# KiCad board access-controller.kicad_pcb (continued)
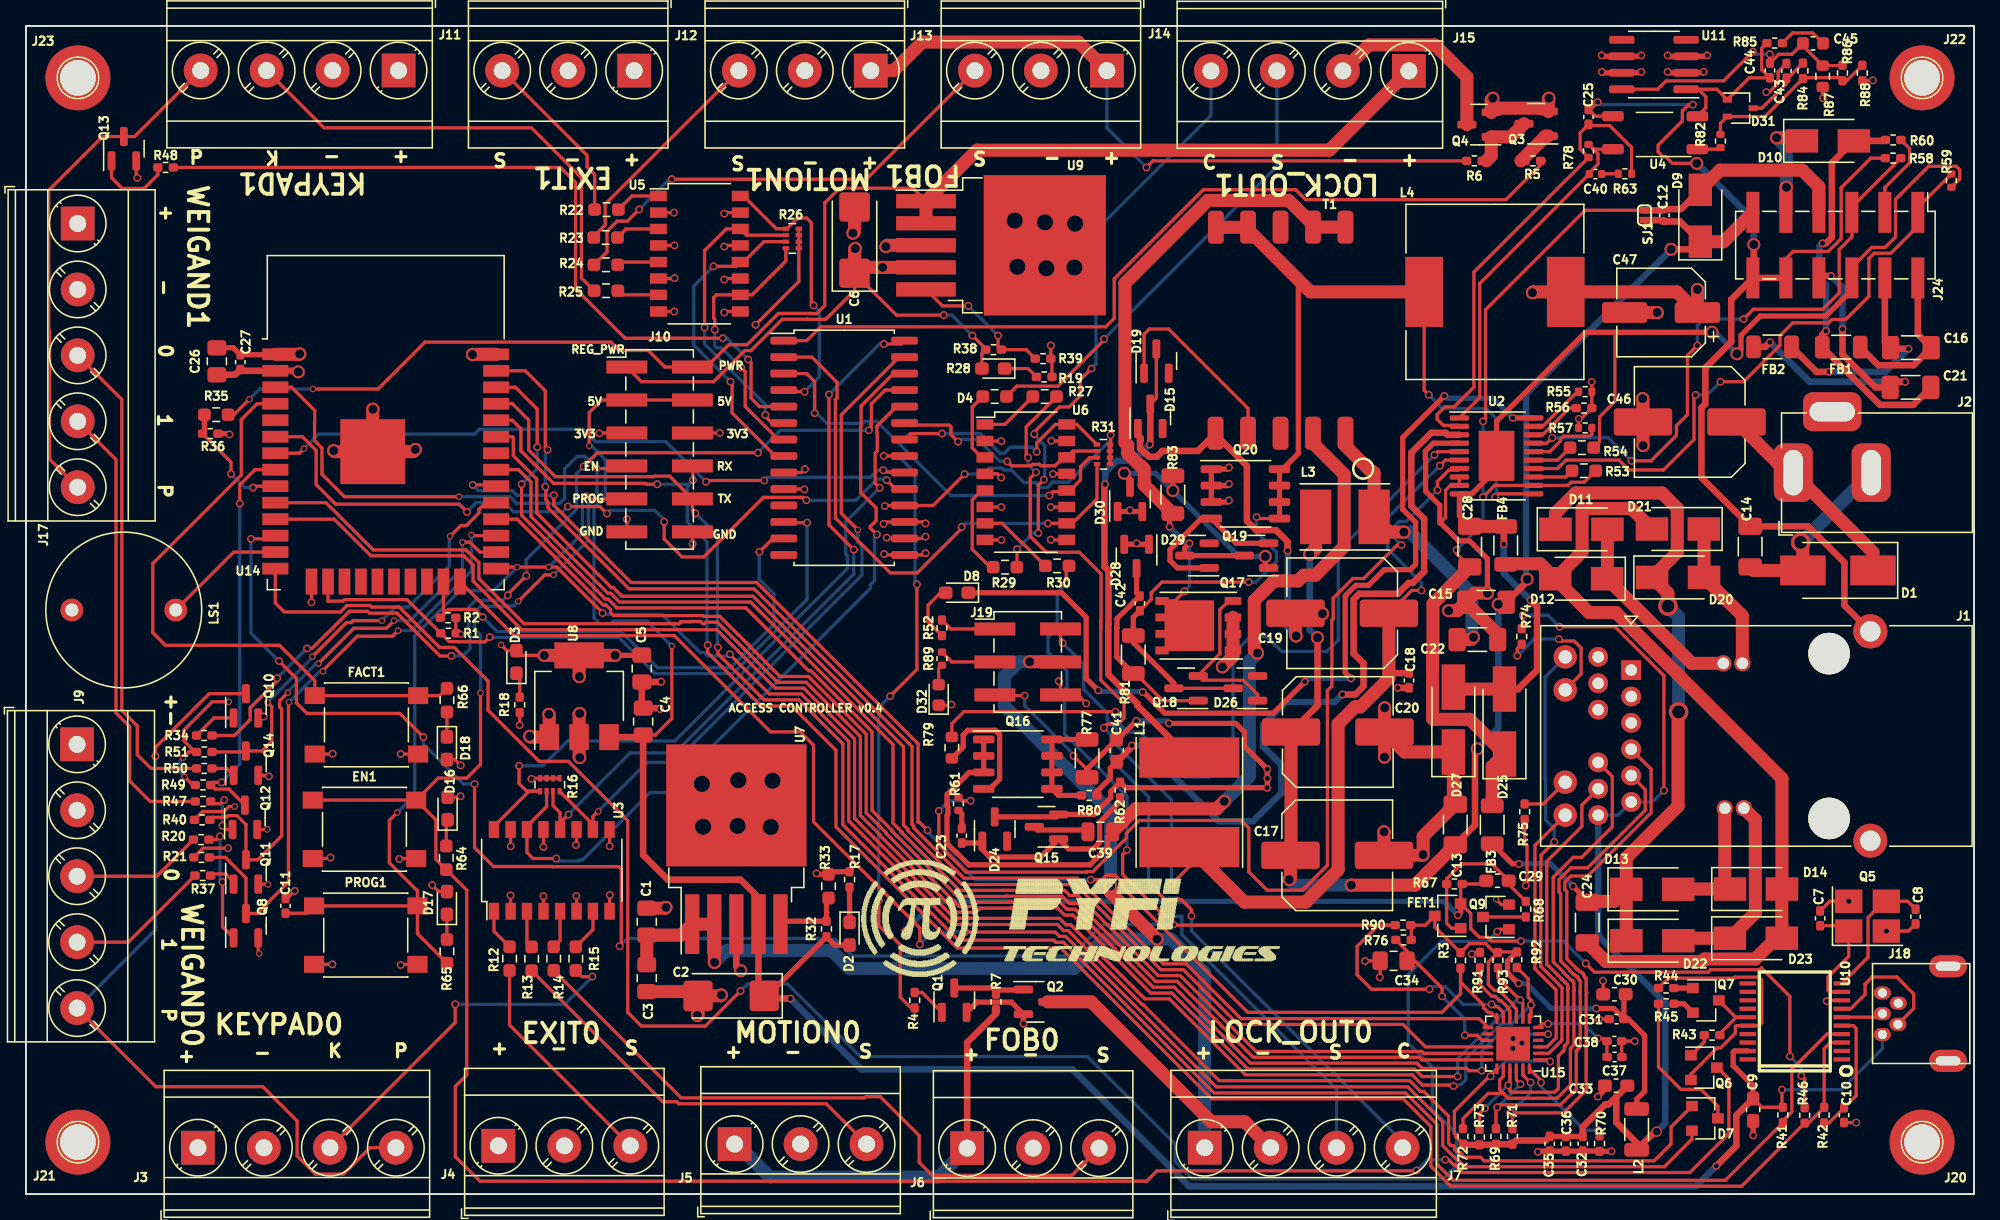
[diagram p0: board, top side]
## Routing (per net, layer and track width the routed paths; a pad name or vN(x,y) marks a point on that pad's centre or on a via; arc(x,y) is an arc through that point) (continued)
/PUSH1: length 39.3
  Top w0.25: J17.5 1.82,56.62 1.82,66.5 1.75,66.57 1.75,77.34 5.89,81.48 Q13.3 8.36,81.48 J11.4
/PUSH1_IO: length 61.1
  Top w0.25: v1(53.66,65.94) 46.13,65.94 42.32,69.75 42.32,77.94 41.16,79.1 R48.1 ; U1.5 56.48,60.67 55.83,61.32 55.83,64.09 v1(55.61,64.31)
  Bottom w0.25: v1(53.66,65.94) 53.98,65.94 v1(55.61,64.31)
/PWR_SENSE: length 9.4
  Top w0.25: v1(15.79,55.49) 15.79,56.4 R36.2 ; U14.9 17.59,54.54 v1(17.48,54.43)
  Top w0.4: R36.2 13.74,58.73 R35.1
  Bottom w0.25: v1(17.48,54.43) 16.84,54.43 v1(15.79,55.49)
/RD+: length 43.4
  Top w0.25: J1.4 125.14,32.74 125.14,29.39 120.25,24.5 118.96,24.5 118.5,24.04 118.5,23.46 118.65,23.31 118.65,18.12 119.32,17.45 119.32,17.4 119.4,17.33 119.47,17.33 119.63,17.17 119.69,17.13 119.83,17.06 119.85,17 119.9,16.97 119.9,16.95 119.92,16.94 119.93,16.9 119.96,16.87 119.96,16.84 119.99,16.8 119.99,16.73 120.09,16.63 120.13,16.63 120.13,15.67 120.13,15.66 120.17,15.49 120.16,15.48 120.17,15.47 120.16,15.47 120.16,15.46 120.13,15.42 120.13,7.99 118.4,6.26 v1(114.3,6.26) 114.46,6.1 R71.2 ; U15.23 115.26,9.16 115.82,8.6 v1(115.86,8.6)
  Bottom w0.25: v1(115.86,8.6) 115.86,7.81 v1(114.3,6.26)
/RD-: length 41.2
  Top w0.25: v1(115.07,8.47) 114.76,8.78 U15.22 ; J1.5 124.69,31.16 124.69,29.57 120.25,25.13 118.96,25.13 118.05,24.22 118.05,23.28 118.18,23.15 118.18,17.95 118.87,17.26 118.87,17.22 119.14,16.94 119.24,16.88 119.28,16.88 119.36,16.8 119.46,16.75 119.48,16.71 119.51,16.68 119.51,16.64 119.54,16.61 119.54,16.54 119.68,16.41 119.68,15.65 119.69,15.58 119.68,15.57 119.68,11.36 119.45,11.13 119.45,11.11 119.37,11.03 119.37,8.09 118.16,6.88 113.48,6.88 v1(113.29,6.68) 113.19,6.58 R69.2
  Bottom w0.25: v1(115.07,8.47) 115.07,8.44 113.32,6.68 v1(113.29,6.68)
/REG_POWER: length 127.6
  Top w0.25: J10.1 47.4,62.59 52.94,62.59 55.35,64.99 55.82,64.99 58.23,67.4 60.19,67.4 60.19,67.39 61.58,67.39 63.8,69.61 C6.1 67.03,67.72 v1(70.67,67.72) ; 110.61,79.61 86.79,79.61 v1(86.28,79.1) ; 73.91,65.11 v1(72.87,66.15) ; D4.2 73.61,64.76 R38.1
  Top w0.5: 74.69,13.9 72.47,11.68 J6.1
  Top w1: J14.1 81.03,88.76 69.02,88.76 66.82,86.56 J13.1 ; C6.1 63.8,72.8 v2(63.85,72.85) ; 64.25,71.4 v2(65.96,71.4) U9.4
  Bottom w0.25: v1(72.87,66.15) 71.3,67.72 v1(70.67,67.72) ; J14.1 83.23,82.15 v1(86.28,79.1)
  Bottom w1: J6.1 70.23,1.3 57.29,1.3 54.74,3.85
/RL_N: length 33.8
  Top w0.25: U15.2 117.26,10.84 118.27,11.85 118.27,15.91 116.64,17.54 116.64,25.4 116.66,25.42 116.66,26.11 v1(117.68,27.13)
  Bottom w0.25: J1.13 116.96,39.83 116.96,32.01 117.01,31.96 117.01,28.83 117.68,28.16 v1(117.68,27.13)
/RL_P: length 10.5
  Top w0.25: v1(118.02,42.76) 118.17,42.61 119.21,42.61 119.74,42.08 119.74,40.07 J1.14 ; v1(114.83,41.47) 114.83,42.02 R74.2
  Bottom w0.25: v1(118.02,42.76) 116.12,42.76 v1(114.83,41.47)
/RXD: length 150.3
  Top w0.25: U10.3 138.93,11.67 138.46,11.2 R42.2 137.25,5.47 R46.1 132.1,0.6 109.71,0.6 108.3,2.02 108.3,2.05 108.18,2.17 108.18,5.2 106.04,7.34 91.3,7.34 79.69,18.95 71.71,18.95 62.37,28.29 62.37,34.19 58.96,37.6 56.61,37.6 52.49,41.72 v1(52.49,42.29) ; v1(48.6,54.69) 47.78,54.69 47.71,54.76 40.62,54.76 39.11,56.27 39.1,56.27 38.11,57.26 38.11,58.96 37.45,59.62 U14.34 ; v1(51.35,55) 51.35,56.06
  Bottom w0.25: v1(48.6,54.69) 51.04,54.69 v1(51.35,55) 50.92,54.57 50.92,51.79 52.44,50.27 52.44,42.35 v1(52.49,42.29)
/SCL: length 51.1
  Top w0.25: v1(60.15,51.73) 58.4,51.73 ; v1(35.71,42.91) 35.34,42.55 33.26,42.55 33.25,42.57 32.58,42.57 R1.1 29.34,45.8 24.53,45.8 24.42,45.68 23.26,45.68 U14.16
  Bottom w0.25: v1(60.15,51.73) 60.15,45.82 54.43,40.1 48.43,40.1 45.64,42.89 35.73,42.89 v1(35.71,42.91)
/SDA: length 39.6
  Top w0.25: v1(35.16,44.46) 34.57,45.04 32.55,45.04 R2.1 32.14,44.64 U14.23 ; v1(56.47,49.47) 57.52,50.52
  Bottom w0.25: v1(56.47,49.47) 56.46,49.46 56.46,47.37 57.6,46.23 57.6,43.91 54.24,40.55 48.62,40.55 45.83,43.34 36.28,43.34 v1(35.16,44.46)
/SPEAKER: length 9.5
  Top w0.25: LS1.1 15.99,49.46 U14.13
/TD+: length 37
  Top w0.25: J1.11 119.8,29.97 119.8,28.32 117.11,25.63 117.11,25.23 117.1,25.22 117.1,17.72 118.56,16.26 118.68,16.17 118.69,16.13 118.72,16.1 118.72,15.94 118.74,15.8 118.72,15.77 118.72,11.67 118.55,11.5 118.55,11.48 118.47,11.4 118.47,11.39 118.45,11.37 118.45,11.11 118.4,11.06 118.4,11.04 118.37,11.01 118.37,11 117.99,10.63 117.99,8.13 117.7,7.84 114.39,7.84 114.26,7.97 U15.21 114.26,8.51 v1(114.13,8.38) ; v1(112.33,6.61) 111.92,6.2 R73.2
  Bottom w0.25: v1(114.13,8.38) 114.1,8.38 v1(112.33,6.61)
/TD-: length 40.9
  Top w0.25: U15.20 113.76,9.07 113.48,8.79 113.48,8.04 113.76,7.75 ; 113.76,7.75 112.59,7.75 110.65,5.81 R72.2 ; 113.76,7.75 114.13,7.38 117.9,7.38 118.92,8.4 118.92,11.21 119,11.3 119,11.31 119.19,11.5 119.19,15.65 119.22,15.69 119.19,15.86 119.19,16.26 119.11,16.34 119.1,16.43 118.85,16.6 118.42,17.03 118.42,17.07 117.6,17.9 117.6,24.39 117.64,24.43 117.64,24.45 119.13,25.94 119.79,25.94 122.15,28.3 122.15,32.17 J1.10
/TXD: length 147.6
  Top w0.25: U10.4 138.69,12.33 135.97,9.61 135.97,6.33 135.28,5.64 ; v1(53.28,42.12) 53.28,41.63 56.83,38.08 59.51,38.08 62.9,34.69 62.9,28.46 71.8,19.56 79.14,19.56 79.3,19.4 79.88,19.4 91.49,7.79 106.23,7.79 108.64,5.38 108.64,2.88 108.63,2.87 108.63,2.35 108.75,2.23 108.75,2.2 109.89,1.06 130.85,1.06 R41.2 ; U14.35 37.45,60.89 38.71,59.63 38.71,57.33 40.76,55.28 48.3,55.28 48.34,55.31 49.56,55.31 J10.10 51.31,52.68 v1(51.54,52.45)
  Bottom w0.25: v1(53.28,42.12) 53.24,42.16 53.24,50.76 v1(51.54,52.45)
/USB/D+: length 2.9
  Top w0.25: 142.68,13.62 U10.6
/USB/D-: length 10.4
  Top w0.25: 139.82,14.28 140.5,14.28 141.61,15.38 141.61,16.18 142.15,16.72 144.05,16.72 145.35,15.42 145.35,14.29 J18.2
/USB/D_Com: length 11.6
  Top w0.25: D7.3 130.28,6.76 128.97,8.07 127.43,8.07 125.7,9.79 R45.1
/VDC1+: length 15.4
  Top w1: J1.17 128.27,40.89 D12.1 ; D11.2 121.77,47.43
/VDC1-: length 9.8
  Top w1: J1.18 130.81,23.9 ; D14.1 127.24,23.5
/VDC2+: length 11.6
  Top w1: J1.19 132.16,44.56 D20.2 129.21,51.23
/VDC2-: length 15
  Top w1: J1.20 133.16,28.84 133.16,21.67 D23.1 127.42,19.71
/WG0_DATA0: length 10.1
  Top w0.25: J9.3 10.07,24.49 R20.2
/WG0_DATA1: length 11.2
  Top w0.25: R37.2 7.88,19.41 J9.4
/WG0_DATA_SENSE0: length 47.4
  Top w0.25: v5(22.88,40.27) 22.88,40.35 25.51,42.98 28.22,42.98 v5(28.65,43.41) ; v5(20.25,37.9) 20.21,37.87 20.21,24.05 18.65,22.48 18.65,22.47 17.8,21.62 Q8.3 16.94,24.35 15.35,25.94 R21.1 ; v5(34.3,50.79) 34.36,50.73 U14.27
  Bottom w0.25: v5(28.65,43.41) 29.7,43.41 34.3,48.01 v5(34.3,50.79) ; v5(22.88,40.27) 22.62,40.27 v5(20.25,37.9)
/WG0_DATA_SENSE1: length 43.2
  Top w0.25: v5(22.52,40.87) 25.24,43.59 27.75,43.59 v5(28.34,44.18) ; v5(33.6,50.22) 34.19,50.22 34.95,49.46 U14.26 ; v5(20.16,38.63) 19.52,37.99 19.52,37.53 19.69,37.37 19.69,27.6 17.85,25.76 Q11.3 16.94,28.47 16.25,29.16 15.56,29.16 15.43,29.03 14.36,29.03 R40.1
  Bottom w0.25: v5(33.6,50.22) 33.6,48.2 29.58,44.18 v5(28.34,44.18) ; v5(20.16,38.63) 20.16,38.7 22.33,40.87 v5(22.52,40.87)
/WG1_DATA0: length 37.7
  Top w0.25: R50.2 9.63,32.79 8.57,33.85 8.57,36.07 7.38,37.26 7.38,61.22 J17.3
/WG1_DATA1: length 35.1
  Top w0.25: R47.2 9.56,30.25 7.99,31.82 7.99,36.01 6.93,37.07 6.93,56.59 J17.4
/WG1_DATA_SENSE0: length 30.9
  Top w0.25: U14.8 17.63,55.81 16.46,54.64 v1(16.46,53.21) ; v1(15.06,31.72) 14.43,31.72 R49.1 14.55,31.2 15.62,31.2 Q12.3
  Bottom w0.25: v1(16.46,53.21) 16.46,33.12 v1(15.06,31.72)
/WG1_DATA_SENSE1: length 32.6
  Top w0.25: Q14.3 18.18,34.14 18.92,34.88 18.92,37.56 v5(18.6,37.88) ; 35.4,53.27 34.88,52.75 34.88,52.48 33.91,51.51 33.49,51.51 v5(32.66,50.68) ; v5(27.4,44.18) 25.19,44.18 25.04,44.03 24.67,44.03 v5(22.05,41.41) ; R51.1 16.86,34.06
  Bottom w0.25: v5(27.4,44.18) 28.44,45.22 29.42,45.22 32.59,48.39 32.59,50.61 v5(32.66,50.68) ; v5(18.6,37.88) 22.05,41.33 v5(22.05,41.41)
Earth: length 219.7
  Top w0.25: 120.45,83.56 v1(121.02,84.13) ; v2(128.65,79.41) 126.76,79.41 126.24,79.94 126.04,79.94 125.68,80.3 125.68,80.82 127.54,82.68 127.54,83.45 128.03,83.94 v1(128.35,83.94) ; R77.2 81.71,32.71 v1(80.66,33.76) ; U4.3 120.82,83.05 C25.2 ; J24.10 135.51,72.06 136.08,72.63 138.78,72.63 139.77,73.62 139.77,77.54 142.05,79.82 R58.1 ; v1(76.9,38.4) 74.67,38.4 ; 108.86,51.69 109.31,52.14 109.31,54.23 109.68,54.6 U2.9 U2.8
  Top w0.4: U2.4 108.37,57.85 107.75,57.23 107.75,56.65 107.77,56.63 107.77,54.16 108.86,53.07 108.86,51.69 ; D24.3 79.33,29.06 Q15.2 82.23,29.25 83.53,30.55 83.53,31.01 R62.1 84.67,31.31 v1(95.56,31.31) 95.59,31.34 v1(95.59,32.03) 95.58,32.04 v1(95.58,32.74) 93.83,34.49 93.83,35.58 93.15,36.26 v1(88.01,36.26) ; 108.95,51.69 110.31,50.33 111.14,50.33 112.53,48.95 v2(112.53,46.3) ; R77.2 81.71,32.75 C41.2 ; 84.07,35.03 v1(85.5,36.46)
  Top w0.5: J1.SH 140.02,45.35 140.02,48.65 137.22,51.45 C14.1 129.01,55.2 129.01,60.58 129.31,60.88 129.31,63.66 131.3,65.65 131.3,68.92 J24.12 J24.10 ; T1.5 90.23,57.25 87.49,57.25 87.49,57.22 87.08,56.81 86.5,56.81 86.29,57.01 86.22,57.01 85.78,57.45 85.78,58.07 85.83,58.12 85.83,58.23 85.62,58.45 D15.1 ; v2(133.04,73.16) 133.04,70.66 ; C18.2 105.63,39 v1(105.63,39) ; 91.6,58.51 94.01,56.1 94.01,51.86 94.72,51.15 96.25,51.15 97.14,50.26 v1(97.14,49.57)
  Top w1: v2(112.53,46.3) 111.56,46.3 C15.2 ; v2(104.62,37.46) 104.61,37.45 C20.2 ; v2(104.6,33.67) 104.61,33.68 C20.2 ; C15.2 110.21,44.95 v2(109.54,44.95) ; C15.2 113.32,43.13 C22.2 ; C20.2 106.15,34.06 D27.1 109.91,30.18 ; v2(104.57,27.91) 104.57,27.91 C17.2 107.53,26.1 v2(107.58,26.15) 107.58,27.56 C13.2 ; v2(97.8,43) 97.75,43.05 C19.2 99.8,44.75 v2(99.83,44.72)
  Bottom w0.25: v1(80.66,33.76) 80.66,33.87 76.9,37.63 v1(76.9,38.4) ; v1(128.35,83.94) 121.21,83.94 v1(121.02,84.13)
  Bottom w0.4: v1(85.5,36.46) 87.81,36.46 v1(88.01,36.26)
  Bottom w0.5: v1(97.14,49.57) 97.14,43.66 v2(97.8,43) ; v2(133.04,73.16) 133.04,75.02 v2(128.65,79.41)
Net-(C7-Pad1): length 8.1
  Top w0.25: Q5.1 140.35,18.32 138.75,16.72 138.75,15.7 138.88,15.58 U10.9 ; C7.1 139.94,20.67
Net-(C8-Pad1): length 10.2
  Top w0.25: U10.10 141.84,18.25 141.84,21.3 143.1,22.56 ; C8.1 144.88,22.56 Q5.3
Net-(C10-Pad1): length 9.7
  Top w0.25: U10.5 140.7,12.97 140.92,12.76 140.92,7.58 C10.1 138.82,5.48 R42.1
Net-(C12-Pad1): length 108.2
  Top w0.5: D9.1 127.36,74.94 C12.1 126.06,75.03 SJ1.2 ; C13.1 111.58,28.43 111.58,34.13 v2(111.75,34.3) ; C20.1 99.45,37.64 v2(99.45,42.87) ; v2(113.36,45.44) 113.52,45.6 C15.1 115.59,47.2 v2(115.59,47.37) ; v2(126.67,72.79) 128.34,72.79
  Top w1: C20.1 97.41,26.14 ; D9.1 130.71,73.37 132.97,75.64 ; v2(97.27,24.23) 97.37,24.33 C17.1 ; C13.1 106.95,23.8 v2(102.05,23.8) ; L3.1 99.3,49.74 v2(98.85,49.29)
  Bottom w0.5: v2(111.75,34.3) 113.36,35.91 v2(113.36,45.44) ; v2(99.45,42.87) 98.85,43.47 v2(98.85,49.29) ; v2(115.59,47.37) 115.5,47.45 115.5,61.62 v2(126.67,72.79)
  Bottom w1: v2(97.27,24.23) 97.7,23.8 v2(102.05,23.8)
Net-(C16-Pad2): length 17.4
  Top w0.5: v1(144.95,65.13) 143.66,65.13 ; v1(138.86,63.35) 137.87,63.35 FB2.2 ; C16.2 143.13,65.65 J24.4
  Bottom w0.5: v1(138.86,63.35) 143.17,63.35 v1(144.95,65.13)
Net-(C21-Pad1): length 30.6
  Top w0.5: 143.11,81.15 D10.2 139.05,79.45 139.05,73.72 138.59,73.25 v1(138.33,73.25) ; v1(138.6,66.5) 138.31,66.21 FB1.1 142.76,60.8 145.32,60.8 C21.1
  Bottom w0.5: v1(138.33,73.25) 138.09,73.01 138.09,70.58 138.6,70.07 v1(138.6,66.5)
Net-(C21-Pad2): length 26.3
  Top w0.5: v1(144.7,62.59) 143.98,62.59 C21.2 142.41,62.15 139.87,64.69 v1(139.87,66.65) ; v1(134.28,65.64) 133.92,65.27 FB2.1 ; 138.2,70.74 v1(138.99,70.74)
  Bottom w0.5: v1(134.28,65.64) 137.33,62.59 v1(144.7,62.59) ; v1(138.99,70.74) 139.87,69.86 v1(139.87,66.65)
Net-(C22-Pad1): length 22.1
  Top w1: T1.1 101.6,57.64 103.56,55.68 103.68,55.68 103.8,55.56 L3.2 104.97,51 v2(106.1,51) ; C22.1 111.28,42.72 v2(111.46,42.9)
  Bottom w1: v2(106.1,51) 106.57,51 111.33,46.24 111.33,43.03 v2(111.46,42.9)
Net-(C23-Pad1): length 16.8
  Top w0.4: R62.2 84.25,30.23 82.67,28.65 82.67,27.08 82.18,26.59 80.27,26.59 Q15.1 78.14,25.97 74.21,25.97 73.64,26.54 D24.1 73.51,27.05 C23.1
Net-(C23-Pad2): length 1.5
  Top w0.4: C23.2 72.05,29.31 R61.1
Net-(C24-Pad1): length 61.3
  Top w0.4: 120.22,22.62 v1(119.12,23.72) ; 112.9,27 114.45,25.45 v1(114.96,25.45)
  Top w1: D13.1 122.29,22.55 119.84,22.55 ; D13.1 123.22,25.91 127.21,29.9 127.21,37.11 v4(127.25,37.15) ; D13.1 123.22,19.53 ; v4(126.43,45.3) 126.43,46.29 D20.1 127.15,49.45 127.15,52.84 125.97,54.02 119.32,54.02 117.77,52.47 D11.1
  Bottom w0.4: v1(119.12,23.72) 117.39,25.45 v1(114.96,25.45)
  Bottom w1: v4(127.25,37.15) 127.25,44.48 v4(126.43,45.3)
Net-(C24-Pad2): length 68.5
  Top w1: D21.2 123.62,52.82 119.85,52.82 119.82,52.79 119.82,49.48 D12.2 ; C24.2 121.66,17.92 129.06,17.92 129.25,18.11 133.15,18.11 134.75,19.71 ; D12.2 120.35,44.81 122.42,44.81 135.21,32.02 D14.2 ; D12.2 116.59,48.57 113.99,48.57 ; D23.2 135.2,23.49
Net-(C29-Pad2): length 12.3
  Top w0.25: 114.17,23.87 R68.1 ; C29.2 112.87,25.44 110.54,25.44 109.39,24.29 R67.1 109.39,20.86 109.77,20.48 FET1.1
Net-(C39-Pad1): length 4.1
  Top w0.4: 81.63,28.05 77.89,28.05 Q15.3
Net-(C40-Pad1): length 1.3
  Top w0.25: R63.2 121.35,78.61
Net-(C42-Pad2): length 15.1
  Top w0.25: Q18.1 87.53,38.02 85.45,40.11
  Top w0.4: D28.3 85.52,46.33 C42.2 ; R81.1 83.99,41.38 83.99,43.61 84,43.63 84,44.33 85.75,46.08
Net-(C43-Pad1): length 5.4
  Top w0.25: 135.66,85.97 R84.1 ; C43.1 135.55,85.56 133.66,83.67 D31.3
Net-(C44-Pad1): length 14.1
  Top w0.25: R85.2 133.65,88.28 133.65,86.64 C44.1 132.68,86 D31.1 130.19,85.12 U11.1 128.78,85.12 129.35,84.55 129.35,83.7 128.7,83.05
Net-(C44-Pad2): length 20.2
  Top w0.25: U11.8 125.64,85.12 126.29,85.77 130.72,85.77 v1(132.96,88.01) ; v1(134.28,87.82) 134.28,87.82 C44.2 134.97,87.82 135.98,87.82 C45.2 ; 139.85,86.95 R87.1 136.82,88.47
  Bottom w0.25: v1(134.28,87.82) 133.15,87.82 v1(132.96,88.01)
Net-(C45-Pad1): length 3.8
  Top w0.25: C45.1 137.57,89.46 136.03,89.46 R85.1
Net-(D2-Pad1): length 2.7
  Top w0.4: R17.2 D2.1
Net-(D3-Pad1): length 1.6
  Top w0.25: R18.2 38.02,39.87
Net-(D4-Pad1): length 2.7
  Top w0.25: R19.2 77.16,63.6 D4.1
Net-(D8-Pad2): length 4.1
  Top w0.25: R52.1 69.46,44.1 69.46,45.37 70.42,46.33
Net-(D10-Pad1): length 7.8
  Top w1: v2(134.79,81.38) 136.51,81.38 ; v2(135.55,77.57) 135.51,77.53 135.51,75.64
  Bottom w1: v2(135.55,77.57) 135.55,80.62 v2(134.79,81.38)
Net-(D15-Pad3): length 36.6
  Top w0.25: D15.3 87.04,61.33 D19.3
  Top w0.5: L1.2 85.58,37.63 85.58,37.78 83.34,40.02 83.34,43.88 83.35,43.9 83.35,48.02 83.04,48.33 83.04,54.64 v1(83.09,54.69) ; v1(86.53,57.76) 86.57,57.8 D15.3
  Bottom w0.5: v1(83.09,54.69) 83.09,55.59 83.99,56.49 85.26,56.49 v1(86.53,57.76)
Net-(D16-Pad1): length 1.9
  Top w0.25: R64.2 32.36,28.73
Net-(D17-Pad1): length 1.9
  Top w0.25: R65.2 D17.1
Net-(D18-Pad1): length 1.9
  Top w0.25: R66.2 D18.1
Net-(D19-Pad1): length 15.6
  Top w0.25: D19.1 86.09,66.24 86.5,66.65 87.98,66.65 94.1,60.53 T1.4
Net-(D26-Pad1): length 12.3
  Top w0.25: D26.1 94.84,38.5 93.74,39.59 90.59,39.59 Q18.2 ; 92.61,45.7 91.93,45.02 91.93,41.63 90.26,39.97
Net-(D29-Pad1): length 13.4
  Top w0.4: Q19.2 93.18,50.14 Q20.4 90.5,52.05 88.09,49.64 88.09,48.81 88.66,48.24 D29.1
Net-(D29-Pad3): length 54.1
  Top w0.25: Q17.5 88.46,45.7 v1(89.2,46.44)
  Top w0.4: v1(88.06,51.41) 88.06,52.17 ; Q19.3 D29.3 89.23,49.79 v1(89.58,50.14)
  Top w1: R83.2 86.1,54.64 86.1,55.86 85.9,56.06 85.83,56.06 84.83,57.06 84.83,57.68 84.62,57.9 84.62,70.18 91,76.56 97.23,76.56 99.1,74.69 ; T1.10 T1.9
  Bottom w0.25: v1(89.58,50.14) 89.58,46.82 v1(89.2,46.44)
  Bottom w0.4: v1(89.58,50.14) 89.33,50.14 v1(88.06,51.41)
Net-(D30-Pad3): length 16.9
  Top w0.4: v2(95.42,49.13) 95.42,48.5 Q19.1 ; v2(88.31,54.21) 88.31,55.35 ; D30.3 85.01,55.1 v2(84.57,55.54)
  Bottom w0.4: v2(95.42,49.13) 93.39,49.13 v2(88.31,54.21) 86.97,55.54 v2(84.57,55.54)
Net-(D31-Pad2): length 13.7
  Top w0.25: 136.9,86.02 139.63,86.02 R86.1 140.2,85.78 R88.1 ; R84.2 133.9,83.02 D31.2 130.47,82.5 R82.1
Net-(D32-Pad2): length 1.6
  Top w0.25: D32.2 70.28,40.49 R89.1
Net-(J19-Pad1): length 4.4
  Top w0.25: R52.2 71.22,43.54 J19.1
Net-(J24-Pad3): length 6.6
  Top w0.25: R60.1 145.04,80.55 145.04,79.46 143.13,77.55 143.13,75.64
Net-(Q1-Pad1): length 2.7
  Top w0.25: R4.1 68.99,15.53 Q1.1
Net-(Q1-Pad3): length 5.1
  Top w0.4: Q1.3 74.54,15.88 ; 74.69,15.72 76.76,15.72
Net-(Q3-Pad1): length 2.9
  Top w1: Q3.1 117.02,81.52 115.11,79.61
Net-(Q3-Pad3): length 4.9
  Top w1: 112.44,79.61 112.82,79.99 Q4.1 114.33,81.45 Q3.3
Net-(Q6-Pad1): length 2
  Top w0.25: R43.1 129.23,11.72 Q6.1
Net-(Q6-Pad2): length 19.6
  Top w0.25: R44.2 126.45,16.63 131.54,16.63 131.62,16.71 133.43,16.71 133.65,16.49 133.65,13.16 133.47,12.97 U10.16 131.7,12.97 131.62,12.9 131.62,12.39 130.49,11.26 130.22,11.26 128.2,9.24 Q6.2
Net-(Q7-Pad1): length 1.5
  Top w0.4: R44.1 Q7.1
Net-(Q7-Pad2): length 1.7
  Top w0.4: R45.2 127.66,14.66 Q7.2
Net-(Q7-Pad3): length 5.4
  Top w0.25: Q7.3 131.64,13.62 U10.15 131.7,13.62 130.43,12.36
Net-(Q8-Pad1): length 9.2
  Top w0.25: v1(14.94,27.56) 14.69,27.31 R20.1 ; v1(15.13,24.04) 15.13,20.6 Q8.1
  Bottom w0.25: v1(14.94,27.56) 14.94,24.23 v1(15.13,24.04)
Net-(Q9-Pad3): length 3.3
  Top w0.25: Q9.3 R68.2
Net-(Q10-Pad1): length 3.4
  Top w0.25: R34.2 14.47,36.68 Q10.1
Net-(Q11-Pad1): length 1.9
  Top w0.25: 15.99,24.07 15.39,24.66 14.33,24.66
Net-(Q12-Pad1): length 3.9
  Top w0.25: 14.4,30.08 14.98,30.08 v1(15.26,30.37) ; v1(15.13,28.38) 15.42,28.09 Q12.1
  Bottom w0.25: v1(15.26,30.37) 15.13,30.23 v1(15.13,28.38)
Net-(Q13-Pad1): length 6.2
  Top w0.25: R48.2 10.15,78.53 9.1,77.48 7.41,77.48 6.59,78.3 Q13.1
Net-(Q14-Pad1): length 1.9
  Top w0.25: R50.1 15.46,32.79 Q14.1
Net-(Q16-Pad4): length 9.8
  Top w0.4: 74.22,31.22 74.97,31.97 74.97,35.41 74.65,35.73 72.52,35.73 72.17,35.38 72.17,34.44 R79.1
Net-(Q16-Pad5): length 9
  Top w0.4: 81.7,35.03 Q16.8 Q16.7 Q16.6 Q16.5 79.5,30.72 R80.2
Net-(R12-Pad1): length 3.2
  Top w0.25: R12.1 36.04,20.25 U3.1
Net-(R13-Pad1): length 2.9
  Top w0.25: R13.1 38.58,19.4 U3.3
Net-(R14-Pad1): length 2.9
  Top w0.25: R14.1 41.13,19.54 U3.5
Net-(R15-Pad1): length 3.3
  Top w0.25: U3.7 43.66,20.37 R15.1
Net-(R22-Pad1): length 3.5
  Top w0.25: R22.1 46.66,76.9 U5.1
Net-(R23-Pad1): length 3.4
  Top w0.25: U5.3 46.21,74.36 R23.1
Net-(R24-Pad1): length 2.9
  Top w0.25: 45.77,71.81 U5.5
Net-(R25-Pad1): length 2.8
  Top w0.25: 45.89,69.28 U5.7
Net-(R27-Pad1): length 4.6
  Top w0.25: U6.1 75.37,59.3 R27.1
Net-(R28-Pad1): length 5.3
  Top w0.25: R28.1 72.87,60.64 72.87,57.48 73.59,56.76
Net-(R29-Pad1): length 6.8
  Top w0.25: 73.59,54.21 72.87,53.49 72.87,49.68 74.24,48.3
Net-(R30-Pad1): length 6
  Top w0.25: R30.1 76.65,50.24 76.6,50.24 75.16,51.68 U6.7
Net-(R32-Pad2): length 4.9
  Top w0.4: 58.32,21.02 R32.2 61.64,22.65
Net-(R38-Pad2): length 11.1
  Top w0.25: v1(74.85,66.14) 74.85,65.31 R38.2 77.02,65.06 R39.1 ; v1(72.56,68.43) 70.57,68.43 U9.5
  Bottom w0.25: v1(72.56,68.43) v1(74.85,66.14)
Net-(R82-Pad2): length 1.8
  Top w0.25: R82.2 130.36,80.51 U4.1

## Copper pours and planes (outline as drawn; the poured copper is in the pictures)
+3V3 on In2.Cu: 97.97,48.68 98.07,32.28 70.57,32.18 70.37,16.78 14.97,16.68 14.97,66.58 58.57,66.78
GND on In1.Cu: 149.68,47.9 94.23,47.74 94.14,24.49 149.79,24.29 149.95,0.05 0.1,0.1 0.1,90 149.9,89.9
/POWER on In2.Cu: 149.45,0.9 72.2,0 72.2,11.4 78.95,17.35 95.05,17.25 100.6,13 116.25,12.95 116.5,56.25 70.1,66.35 70.1,89.55 149.3,89.75
/REG_POWER on In2.Cu: 68.95,69.09 60.6,69.16 60.4,78.1 12.9,78.5 13.2,13.6 68.65,13.55 68.75,0.45 0.4,0.2 0.3,89.6 68.95,90.01
Earth on In1.Cu: 149.7,25.01 94.84,25.01 94.92,46.81 149.84,46.81

## Text on the board
F.Silkscreen: ACCESS CONTROLLER v0.4 | 3V3 | PROG | EN | GND | 5V | REG_PWR | RX | TX | PWR | P | K | + | S | - | C | 1 | 0 | KEYPAD0 | EXIT0 | MOTION0 | FOB0 | LOCK_OUT0 | KEYPAD1 | EXIT1 | MOTION1 | FOB1 | LOCK_OUT1 | WEIGAND0 | WEIGAND1
